# Allegro board 8880F5-0822_7.brd (continued)
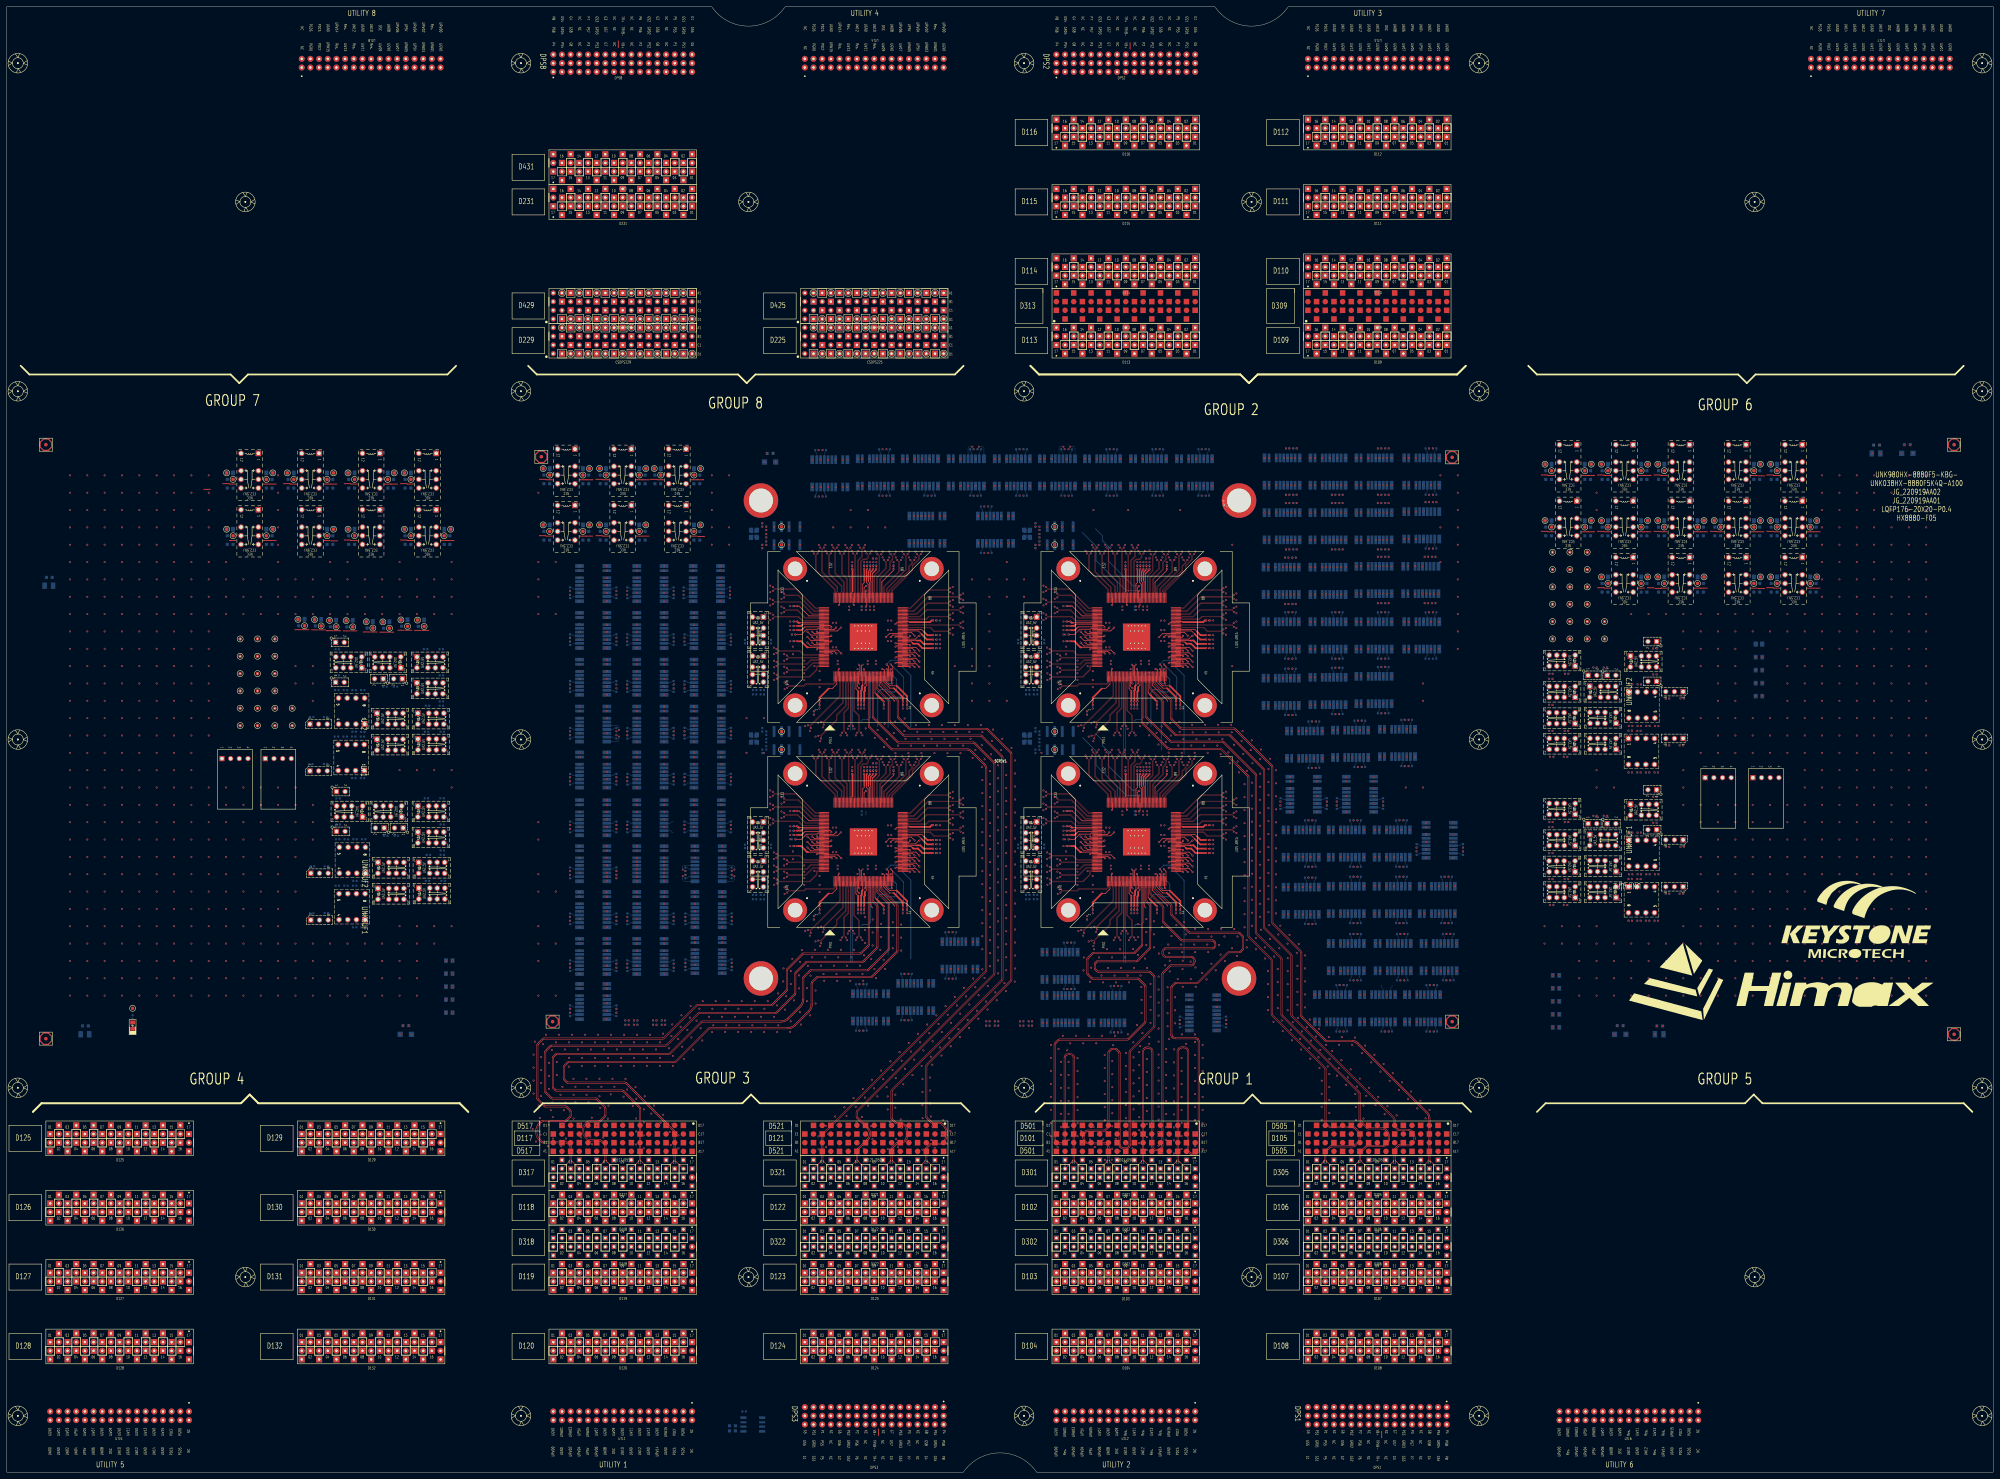
[diagram p0: board, top side]
## Routing (per net, layer and track width the routed paths; a pad name or vN(x,y) marks a point on that pad's centre or on a via; arc(x,y) is an arc through that point) (continued)
S1_DCH044: length 2.2
  TOP w0.231: v1(237.23,241.03) 237.43,241.23 SITE1.163
S1_DCH045: length 5.4
  TOP w0.231: SITE1.164 243.35,240.83 v1(244.35,239.83)
S1_DCH046: length 3.9
  TOP w0.231: SITE1.165 242.35,240.43 v1(242.95,239.83)
S1_DCH047: length 2.3
  TOP w0.231: v1(241.56,239.83) 241.36,240.03 SITE1.166
S1_DCH048:
  vias: v1(229.05,276.97)
S1_DCH049:
  vias: v1(229.05,271.67)
S1_DPS_F_001:
  vias: v1(182.11,131.06)
S1_DPS_F_002: length 10.1
  TOP w0.119: v1(237.98,223.71) 237.98,223.75
  TOP w0.231: SITE1.3 243.03,230.86 241.72,229.55 240.65,229.55
  TOP w0.508: v1(237.98,225.75) 237.98,226.88 240.65,229.55
  vias: v1(236.32,222.9)
S1_DPS_F_003: length 63.1
  TOP w0.231: SITE1.17 248.63,229.5 249.28,228.85 ; SITE1.71 266.94,246.43 267.84,245.53 ; SITE1.63 264.9,243.23 265.2,242.93 ; SITE1.37 256.63,231.59 258.57,229.66 259.73,229.66 ; 234.63,241.63 SITE1.162 ; 232.83,248.18 233.08,248.43 SITE1.145 ; SITE1.107 252.23,260.11 251.69,260.65 251.69,261.16
  TOP w0.381: v1(251.94,264.54) 251.69,264.28 251.69,261.16
  TOP w0.508: v1(231.44,243.41) 232.59,243.41 234.37,241.63 234.63,241.63 ; v1(249.28,225.75) 249.28,228.85 ; v1(271.22,243.91) 269.46,243.91 267.84,245.53 ; 259.73,229.66 262.36,227.02 v1(262.36,225.75) ; 232.83,248.18 232.58,247.93 v1(231.44,247.93) ; v1(271.22,241.37) 268.11,241.37 266.8,242.67 265.45,242.67 265.2,242.93
  vias: v1(229.4,247.93) v1(229.4,243.41) v1(249.28,223.71) v1(251.54,252.59) v1(251.94,266.58) v1(262.36,223.71) v1(273.27,243.91) v1(273.27,241.37)
S1_DPS_F_006: length 9.8
  TOP w0.231: 268.55,246.19 267.92,246.83 SITE1.72
  TOP w0.508: v1(271.22,245.18) 269.56,245.18 268.55,246.19
  BOTTOM w0.119: CC40.1 v1(259,246.67)
  vias: v1(273.27,245.18)
S1_DPS_F_007: length 19.2
  TOP w0.231: 264.37,249.01 264.15,249.23 SITE1.78
  TOP w0.254: CD11.1 v1(259.65,264.54) 259.65,264.22 256.23,260.8 SITE1.97
  TOP w0.508: v1(271.22,249.5) 270.8,249.5 270.31,249.01 264.37,249.01
  BOTTOM w0.119: CC27.1 v1(273.27,249.5)
  vias: v1(259.65,266.58)
S1_DPS_F_009: length 8.8
  TOP w0.231: SITE1.106 252.63,260.53 252.26,260.9 252.26,261.12
  TOP w0.381: 252.26,261.12 252.26,263.82 252.83,264.39 v1(252.83,264.54)
  vias: v1(252.83,266.58) v1(253.61,267.66)
S1_DPS_F_010: length 8.6
  TOP w0.231: 251.05,261.13 251.05,260.57 250.63,260.15 SITE1.111
  TOP w0.381: 251.05,261.13 v1(251.05,264.54)
  vias: v1(250.34,253.59) v1(251.05,266.58)
S1_DPS_F_011: length 17.6
  TOP w0.231: 247.64,258.01 247.43,257.79 SITE1.119 ; SITE1.139 234.87,250.83 232.01,253.69 v1(231.44,253.69)
  TOP w0.508: 247.64,258.01 247.64,264.47 v1(247.57,264.54)
  vias: v1(229.4,253.69) v1(247.57,266.58)
S1_DPS_F_012: length 8
  TOP w0.231: 232.2,248.83 SITE1.144
  TOP w0.508: v1(231.44,249.2) 231.81,248.83 232.2,248.83
  vias: v1(229.4,249.2)
S1_ISP00+: length 14.6
  TOP w0.086: SITE1.73 263.98,247.23 264.06,247.31 270.41,247.31 271.56,246.16 275.81,246.16 v1(276.24,245.73)
  vias: v1(270.04,280.1)
S1_ISP00-: length 14.6
  TOP w0.086: v1(276.24,246.87) 275.77,246.4 271.66,246.4 270.51,247.55 264.06,247.55 263.98,247.63 SITE1.74
  vias: v1(270.04,272.1)
S1_ISP14+: length 14.8
  TOP w0.086: v1(252.86,269.15) 252.42,268.71 252.42,267.92 251.76,267.26 250.73,267.26 250.15,266.68 250.15,257.86 250.23,257.78 SITE1.112
  vias: v1(265.64,280.1)
S1_ISP14-: length 14.8
  TOP w0.086: SITE1.113 249.83,257.78 249.91,257.86 249.91,266.78 250.63,267.5 251.66,267.5 252.18,268.02 252.18,268.69 v1(251.72,269.15)
  vias: v1(265.64,272.1)
S1_ISP_1LOCK:
  vias: v1(229.91,245.39)
S1_M_DPS_F_001: length 45.2
  TOP w0.231: 233.24,247.18 233.7,247.63 SITE1.147 ; 260.57,230.37 258.54,230.37 257.43,231.49 SITE1.39 ; 266.49,243.63 SITE1.64 ; 250.63,230.54 SITE1.22 ; SITE1.104 253.43,263.21
  TOP w0.381: 253.43,263.21 254.61,264.39 v1(254.61,264.54)
  TOP w0.508: v1(271.22,242.64) 268.48,242.64 267.49,243.63 266.49,243.63 ; 233.24,247.18 232.72,246.66 v1(231.44,246.66) ; v1(250.17,225.75) 250.17,228.96 250.38,229.17 250.38,230.28 250.63,230.54 ; v1(263.63,225.75) 263.63,227.31 260.57,230.37
  vias: v1(229.4,246.66) v1(250.17,223.71) v1(254.61,266.58) v1(263.63,223.71) v1(273.27,242.64)
S1_PS9G_DCH001: length 3.7
  TOP w0.231: v1(249.63,229.63) 249.03,230.23 SITE1.18
S1_PS9G_DCH002: length 2.2
  TOP w0.231: v1(249.63,231.03) 249.43,231.23 SITE1.19
S1_PS9G_DCH003: length 2.2
  TOP w0.231: SITE1.24 251.43,231.23 v1(251.23,231.03)
S1_PS9G_DCH004: length 2.2
  TOP w0.231: v1(257.63,235.23) 257.83,235.03 SITE1.40
S1_PS9G_DCH005: length 2.2
  TOP w0.231: SITE1.45 264.23,236.03 v1(264.43,235.83)
S1_PS9G_DCH006: length 3.7
  TOP w0.231: SITE1.46 265.23,236.43 v1(265.83,235.83)
S1_PS9G_DCH007: length 5.3
  TOP w0.231: SITE1.47 266.22,236.83 v1(267.23,235.83)
S1_PS9G_DCH009: length 2.2
  TOP w0.231: v1(264.43,237.43) 264.23,237.63 SITE1.49
S1_PS9G_DCH010: length 3.7
  TOP w0.231: SITE1.50 265.23,238.03 v1(265.83,237.43)
S1_PS9G_DCH011: length 5.3
  TOP w0.231: v1(267.23,237.43) 266.22,238.43 SITE1.51
S1_PS9G_DCH014: length 3.7
  TOP w0.231: v1(265.83,239.03) 265.23,239.63 SITE1.54
S1_PS9G_DCH015: length 5.3
  TOP w0.231: SITE1.55 266.22,240.03 v1(267.23,239.03)
S1_PS9G_DCH022: length 5.3
  TOP w0.231: SITE1.65 266.05,244.03 267.05,245.03 v1(267.23,245.03)
S1_PS9G_DCH023: length 2.5
  TOP w0.231: SITE1.66 264.03,244.43 264.43,244.83 v1(264.43,245.03)
S1_PS9G_DCH027: length 3.9
  TOP w0.231: v1(265.83,245.03) 264.83,246.03 SITE1.70
S1_PS9G_DCH028: length 2.3
  TOP w0.231: SITE1.77 260.6,248.83 v1(260.23,248.46)
S1_PS9G_DCH029: length 2.2
  TOP w0.231: v1(248.03,254.03) 247.83,254.23 SITE1.118
S1_PS9G_DCH030: length 9.2
  TOP w0.231: v1(230.91,245.39) 232.63,245.39 234.16,246.91 237.3,246.91 237.62,247.23 SITE1.148
S1_PS9G_DCH035: length 5.3
  TOP w0.231: v1(234.44,246.23) 235.44,245.23 SITE1.153
S1_PS9G_DCH036: length 2.2
  TOP w0.231: SITE1.154 241.23,244.83 v1(241.43,245.03)
S1_PS9G_DCH037: length 2.2
  TOP w0.231: v1(237.23,244.63) 237.43,244.43 SITE1.155
S1_PS9G_DCH038: length 3.7
  TOP w0.231: SITE1.156 236.43,244.03 v1(235.83,244.63)
S1_PS9G_DCH039: length 5.3
  TOP w0.231: v1(234.44,244.63) 235.44,243.63 SITE1.157
S1_PS9G_DCH040: length 2.2
  TOP w0.231: v1(241.43,243.43) 241.23,243.23 SITE1.158
S1_RLY_001:
  vias: v1(167.7,222.95) v1(201.23,236.67)
S1_RLY_003:
  vias: v1(290.64,288.86) v1(303.84,288.86)
S1_RLY_005:
  vias: v1(330.51,288.86) v1(343.98,288.86)
S1_RLY_007:
  vias: v1(317.05,288.86)
S1_RLY_008:
  vias: v1(263.71,288.86) v1(293.31,280.1)
S1_RLY_016:
  vias: v1(244.8,296.61) v1(250.5,288.86)
S1_RLY_018:
  vias: v1(232.25,276.97)
S1_RLY_021:
  vias: v1(167.7,264.1) v1(277.17,288.86)
S1_RLY_022:
  vias: v1(167.7,236.67) v1(201.23,250.38)
S1_RLY_023:
  vias: v1(184.47,236.67)
S1_RLY_025:
  vias: v1(167.7,250.38) v1(200.98,264.1)
S1_RLY_026:
  vias: v1(184.47,250.38)
S1_RLY_030:
  vias: v1(184.47,264.1)
S1_RLY_043:
  vias: v1(273.24,280.1)
S1_SCAN_DCH008: length 2.2
  TOP w0.231: v1(260.23,237.03) 260.43,237.23 SITE1.48
S1_SCAN_DCH012: length 2.2
  TOP w0.231: SITE1.52 260.43,238.83 v1(260.23,238.63)
S1_SCAN_DCH013: length 2.2
  TOP w0.231: v1(264.43,239.03) 264.23,239.23 SITE1.53
S1_SCAN_DCH016: length 2.2
  TOP w0.231: v1(260.23,240.23) 260.43,240.43 SITE1.56
S1_SCAN_DCH017: length 2.2
  TOP w0.231: SITE1.57 264.23,240.83 v1(264.43,240.63)
S1_SCAN_DCH018: length 3.7
  TOP w0.231: SITE1.58 265.23,241.23 v1(265.83,240.63)
S1_SCAN_DCH019: length 5.3
  TOP w0.231: SITE1.59 266.22,241.63 v1(267.23,240.63)
S1_SCAN_DCH020: length 2.2
  TOP w0.231: SITE1.60 260.43,242.03 v1(260.23,241.83)
S1_SCAN_DCH021: length 2.2
  TOP w0.231: v1(264.43,242.23) 264.23,242.43 SITE1.61
S1_SCAN_DCH024: length 2.2
  TOP w0.231: SITE1.67 260.43,244.83 v1(260.23,244.63)
S1_SCAN_DCH025: length 3.7
  TOP w0.231: v1(258.83,244.63) 259.43,245.23 SITE1.68
S1_SCAN_DCH026: length 5.3
  TOP w0.231: SITE1.69 258.44,245.63 v1(257.44,244.63)
S1_SCAN_DCH031: length 3.7
  TOP w0.231: SITE1.149 242.23,246.83 v1(242.83,247.43)
S1_SCAN_DCH032: length 5.3
  TOP w0.231: SITE1.150 243.22,246.43 v1(244.22,247.43)
S1_SCAN_DCH033: length 2.2
  TOP w0.231: v1(237.23,246.23) 237.43,246.03 SITE1.151
S1_SCAN_DCH034: length 3.7
  TOP w0.231: SITE1.152 236.43,245.63 v1(235.83,246.23)
S1_SPI_CSN: length 25.9
  TOP w0.231: SITE1.43 259.03,231.23 v1(259.23,231.03)
  BOTTOM w0.231: 250.11,219.95 250.61,220.44 252.25,220.44 252.91,221.11 252.91,233.59 253.58,234.25 255.17,234.25 258.4,231.03 v1(259.23,231.03)
S1_SPI_SCK: length 25.3
  TOP w0.231: v1(258.83,235.23) 258.63,235.03 SITE1.42
  BOTTOM w0.231: v1(258.83,235.23) 258.83,233.98 260.53,232.28 260.53,229.11 259.96,228.54 257.9,228.54 257.17,229.27 255.92,229.27 255.03,228.39 255.03,218.48
S1_SPI_SDI: length 27.5
  TOP w0.231: v1(258.83,236.63) 259.43,236.03 SITE1.44
  BOTTOM w0.231: v1(258.83,236.63) 262.6,232.86 262.6,227.63 262.04,227.06 258.85,227.06 258.07,226.28 258.07,218.19
S1_SPI_SDO: length 29.1
  TOP w0.231: SITE1.41 258.23,236.03 v1(257.63,236.63)
  BOTTOM w0.231: v1(257.63,236.63) 258.83,237.83 261.5,237.83 262.29,237.04 262.29,235.83 264.72,233.4 264.72,218.19
S1_XTAL_IN: length 2.2
  TOP w0.231: v1(251.63,258.23) 251.43,258.03 SITE1.109
  vias: v1(226.85,271.67)
S1_XTAL_OUT: length 3.7
  TOP w0.231: v1(251.63,259.63) 251.03,259.03 SITE1.110
  vias: v1(226.85,276.97)
S2_1TX_100DCH001+: length 72.5
  L30_SIGNAL w0.071: v1(416.45,299.91) 416.92,299.44 416.92,298.08 406.32,287.48 406.32,267.89 405.38,266.95 385.23,266.95 383.77,265.49 383.77,262.03 384.78,261.01 388.2,261.01 388.49,260.72 v1(388.49,257.11)
S2_1TX_100DCH001-: length 72.2
  L30_SIGNAL w0.071: v1(388.49,265.11) 388.49,261.51 388.2,261.21 384.87,261.21 383.97,262.11 383.97,265.41 385.31,266.75 405.46,266.75 406.52,267.81 406.52,287.4 417.12,298 417.12,299.44 v1(417.6,299.91)
S2_1TX_100DCH002+: length 138.6
  TOP w0.086: SITE2.75 343.98,248.03 344.06,248.11 358.84,248.11 v1(359.29,247.66)
  L30_SIGNAL w0.071: v1(359.29,247.66) 359.76,248.13 378.79,248.13 381.08,250.42 381.08,273.68 382.86,275.46 392.91,275.46 397.59,280.14 397.59,298.46 399.94,300.81 417.91,300.81 418.69,300.03 418.69,297.05 416.08,294.44 416.08,288.02 416.93,287.18 416.93,286.8 v1(416.45,286.32)
S2_1TX_100DCH002-: length 138.9
  TOP w0.086: SITE2.76 343.98,248.43 344.06,248.35 358.84,248.35 v1(359.29,248.8)
  L30_SIGNAL w0.071: v1(417.6,286.32) 417.13,286.79 417.13,287.26 416.28,288.11 416.28,294.36 418.89,296.97 418.89,300.12 417.99,301.01 399.86,301.01 397.39,298.54 397.39,280.22 392.83,275.66 382.78,275.66 380.88,273.76 380.88,250.5 378.7,248.33 359.76,248.33 v1(359.29,248.8)
S2_1TX_100DCH003+: length 115.7
  TOP w0.086: SITE2.79 343.98,249.63 344.06,249.71 349.2,249.71 350.02,250.53 355.8,250.53 v1(356.24,250.09)
  L30_SIGNAL w0.071: v1(416.45,284.16) 416.92,284.63 416.92,285.2 417.3,285.57 419.17,285.57 420.13,284.6 420.13,280.43 418.3,278.59 418.3,275.54 414.8,272.04 412.42,272.04 407.85,267.46 407.85,258.02 405.87,256.05 395.96,256.05 393.68,253.77 393.68,248.34 391.43,246.08 359.3,246.08 358.26,247.11 358.26,249.56 357.26,250.56 356.72,250.56 v1(356.24,250.09)
S2_1TX_100DCH003-: length 114.8
  TOP w0.086: v1(356.24,251.23) 355.78,250.77 349.92,250.77 349.1,249.95 344.06,249.95 343.98,250.03 SITE2.80
  L30_SIGNAL w0.071: v1(356.24,251.23) 356.72,250.76 357.34,250.76 358.46,249.64 358.46,247.2 359.38,246.28 391.35,246.28 393.49,248.42 393.49,253.85 395.88,256.25 405.79,256.25 407.65,258.1 407.65,267.55 412.34,272.24 414.72,272.24 418.1,275.62 418.1,278.68 419.93,280.51 419.93,284.52 419.08,285.37 417.38,285.37 417.12,285.12 417.12,284.64 v1(417.6,284.16)
S2_1TX_100DCH004+: length 157.9
  TOP w0.086: SITE2.81 343.98,250.43 344.06,250.51 347.46,250.51 349.46,252.51 358.8,252.51 v1(359.29,252.02)
  L30_SIGNAL w0.071: v1(359.29,252.02) 359.76,252.49 362.88,252.49 365.18,250.2 378.1,250.2 380.29,252.39 380.29,275.75 381.78,277.24 390.42,277.24 393.74,280.56 393.74,297.85 397.33,301.44 418.5,301.44 421.9,298.04 421.9,276.91 416.92,271.94 416.92,271.05 v1(416.45,270.57)
S2_1TX_100DCH004-: length 158.2
  TOP w0.086: v1(359.29,253.16) 358.88,252.75 349.36,252.75 347.37,250.75 344.06,250.75 343.98,250.83 SITE2.82
  L30_SIGNAL w0.071: v1(417.6,270.57) 417.12,271.05 417.12,271.86 422.1,276.83 422.1,298.13 418.58,301.64 397.25,301.64 393.54,297.93 393.54,280.64 390.34,277.44 381.7,277.44 380.1,275.83 380.1,252.47 378.01,250.39 365.26,250.39 362.97,252.69 359.76,252.69 v1(359.29,253.16)
S2_1TX_100DCH005+: length 79.1
  TOP w0.086: SITE2.83 343.98,251.23 344.06,251.31 346.53,251.31 349.61,254.39 355.8,254.39 v1(356.24,253.95)
  L30_SIGNAL w0.071: v1(356.24,253.95) 355.77,254.42 355.47,254.42 355.12,254.06 355.12,245.25 357.18,243.18 395.75,243.18 402.95,250.38 402.95,251.43 v1(402.48,251.9)
S2_1TX_100DCH005-: length 80.1
  TOP w0.086: SITE2.84 343.98,251.63 344.06,251.55 346.43,251.55 349.51,254.63 355.78,254.63 v1(356.24,255.09)
  L30_SIGNAL w0.071: v1(356.24,255.09) 355.77,254.62 355.39,254.62 354.92,254.14 354.92,245.17 357.1,242.99 395.84,242.99 403.15,250.3 403.15,251.43 v1(403.63,251.9)
S2_1TX_100DCH006+: length 90
  TOP w0.086: SITE2.85 343.98,252.03 344.06,252.11 345.58,252.11 349.82,256.36 358.81,256.36 v1(359.29,255.88)
  L30_SIGNAL w0.071: v1(359.29,255.88) 358.82,256.35 355.87,256.35 354.16,254.64 354.16,241.87 359.26,236.77 402.32,236.77 402.95,237.4 402.95,237.84 v1(402.48,238.32)
S2_1TX_100DCH006-: length 91
  TOP w0.086: v1(359.29,257.02) 358.87,256.6 349.73,256.6 345.48,252.35 344.06,252.35 343.98,252.43 SITE2.86
  L30_SIGNAL w0.071: v1(403.63,238.32) 403.15,237.84 403.15,237.32 402.4,236.57 359.18,236.57 353.97,241.78 353.97,254.73 355.79,256.55 358.82,256.55 v1(359.29,257.02)
S2_1TX_100DCH007+: length 83.2
  TOP w0.086: v1(356.24,257.81) 355.83,258.23 349.88,258.23 344.57,252.91 344.06,252.91 343.98,252.83 SITE2.87
  L30_SIGNAL w0.071: v1(356.24,257.81) 356.72,258.28 362.24,258.28 369.66,250.87 377.37,250.87 379.38,252.88 379.38,274.01 372.95,280.44 372.95,284.92 373.49,285.46 375.76,285.46 376.04,285.19 376.04,284.39 v1(375.56,283.91)
S2_1TX_100DCH007-: length 83.5
  TOP w0.086: SITE2.88 343.98,253.23 344.06,253.15 344.47,253.15 349.78,258.47 355.76,258.47 v1(356.24,258.95)
  L30_SIGNAL w0.071: v1(356.24,258.95) 356.72,258.48 362.32,258.48 369.74,251.06 377.29,251.06 379.18,252.96 379.18,273.93 372.75,280.36 372.75,285 373.41,285.66 375.85,285.66 376.23,285.27 376.23,284.38 v1(376.7,283.91)
S2_2AUX+:
  vias: v1(290.31,132.08) v1(290.31,130.81)
S2_2AUX-:
  vias: v1(286.77,130.81) v1(287.77,132.08)
S2_2TX_100DCH001+: length 16.3
  TOP w0.086: v1(347.64,268.93) 347.21,268.5 347.21,267.41 345.32,265.52 345.32,264.13 339.35,258.16 339.35,257.86 339.43,257.78 SITE2.89
  vias: v1(375.56,270.32)
S2_2TX_100DCH001-: length 16.3
  TOP w0.086: SITE2.90 339.03,257.78 339.11,257.86 339.11,258.26 345.08,264.23 345.08,265.62 346.97,267.51 346.97,268.46 ; v1(346.5,268.93) 346.97,268.46 ; 346.97,268.46 346.97,268.48
  vias: v1(376.7,270.32)
S2_2TX_100DCH002+: length 14.1
  TOP w0.086: v1(345.72,267.21) 345.28,266.78 345.28,266.31 344.35,265.37 344.35,264.04 338.55,258.23 338.55,257.86 338.63,257.78 SITE2.91
  vias: v1(402.48,268.16)
S2_2TX_100DCH002-: length 14.1
  TOP w0.086: SITE2.92 338.23,257.78 338.31,257.86 338.31,258.33 344.11,264.13 344.11,265.47 345.04,266.4 345.04,266.74 v1(344.57,267.21)
  vias: v1(403.63,268.16)
S2_2TX_100DCH003+: length 15.3
  TOP w0.086: v1(343.79,268.93) 343.34,268.49 343.34,264.27 337.75,258.68 337.75,257.86 337.83,257.78 SITE2.93
  vias: v1(402.48,254.57)
S2_2TX_100DCH003-: length 15.3
  TOP w0.086: v1(342.64,268.93) 343.1,268.47 343.1,264.37 337.51,258.78 337.51,257.86 337.43,257.78 SITE2.94
  vias: v1(403.63,254.57)
S2_2TX_100DCH004+: length 13.1
  TOP w0.086: SITE2.95 337.03,257.78 336.95,257.86 336.95,259.28 341.41,263.74 341.41,266.77 v1(341.86,267.21)
  vias: v1(402.48,283.91)
S2_2TX_100DCH004-: length 13.2
  TOP w0.086: v1(340.71,267.21) 341.17,266.75 341.17,263.84 336.71,259.38 336.71,257.86 336.63,257.78 SITE2.96
  vias: v1(403.63,283.91)
S2_2TX_100DCH005+: length 14.6
  TOP w0.086: SITE2.98 335.83,257.78 335.75,257.86 335.75,261.48 338.7,264.43 338.7,266.53 339.46,267.3 339.46,268.47 v1(339.93,268.93)
  vias: v1(402.48,270.32)
S2_2TX_100DCH005-: length 14.6
  TOP w0.086: SITE2.99 335.43,257.78 335.51,257.86 335.51,261.58 338.46,264.53 338.46,266.63 339.22,267.39 339.22,268.49 v1(338.78,268.93)
  vias: v1(403.63,270.32)
S2_2TX_100DCH006+: length 12.4
  TOP w0.086: SITE2.100 335.03,257.78 334.95,257.86 334.95,262.07 337.55,264.67 337.55,266.76 v1(338,267.21)
  vias: v1(389.02,283.91)
S2_2TX_100DCH006-: length 12.4
  TOP w0.086: v1(336.85,267.21) 337.31,266.76 337.31,264.77 334.71,262.17 334.71,257.86 334.63,257.78 SITE2.101
  vias: v1(390.16,283.91)
S2_2TX_100DCH007+: length 13.6
  TOP w0.086: v1(336.07,268.93) 335.64,268.51 335.64,264.07 334.15,262.58 334.15,257.86 334.23,257.78 SITE2.102
  vias: v1(389.02,270.32)
S2_2TX_100DCH007-: length 13.7
  TOP w0.086: v1(334.93,268.93) 335.4,268.46 335.4,264.17 333.91,262.68 333.91,257.86 333.83,257.78 SITE2.103
  vias: v1(390.16,270.32)
S2_3TX_100DCH002+: length 95.9
  TOP w0.086: SITE2.114 329.43,257.78 329.35,257.86 329.35,267.06 330.46,268.18 330.46,270.4 v1(330.93,270.87)
  L30_SIGNAL w0.071: v1(330.93,270.87) 330.46,271.34 330.46,287.51 334.25,291.3 383.92,291.3 386.91,288.31 388.91,288.31 389.49,287.73 389.49,286.79 v1(389.02,286.32)
S2_3TX_100DCH002-: length 96.6
  TOP w0.086: v1(329.79,270.87) 330.22,270.43 330.22,268.28 329.11,267.16 329.11,257.86 329.03,257.78 SITE2.115
  L30_SIGNAL w0.071: v1(390.16,286.32) 389.69,286.79 389.69,287.81 388.99,288.51 386.99,288.51 384.01,291.5 334.17,291.5 330.26,287.59 330.26,271.34 v1(329.79,270.87)
S2_3TX_100DCH003+: length 178.1
  TOP w0.086: v1(328.93,269.15) 328.55,268.77 328.55,257.86 328.63,257.78 SITE2.116
  L30_SIGNAL w0.071: v1(328.93,269.15) 328.46,269.62 328.46,278.82 329.59,279.95 329.59,284.83 328.18,286.24 328.18,288.75 332.05,292.63 379.88,292.63 389.65,302.4 423.31,302.4 427.99,297.73 427.99,277.1 420.89,270.01 417.12,270.01 416.67,269.56 416.67,268.63 v1(416.2,268.16)
S2_3TX_100DCH003-: length 178.8
  TOP w0.086: SITE2.117 328.23,257.78 328.31,257.86 328.31,268.63 v1(327.79,269.15)
  L30_SIGNAL w0.071: v1(327.79,269.15) 328.26,269.62 328.26,278.9 329.39,280.03 329.39,284.75 327.98,286.16 327.98,288.84 331.97,292.83 379.8,292.83 389.57,302.6 423.39,302.6 428.19,297.81 428.19,277.02 420.98,269.81 417.2,269.81 416.87,269.48 416.87,268.63 v1(417.34,268.16)
S2_3TX_100DCH004+: length 197.9
  TOP w0.086: v1(327.07,270.87) 326.61,270.41 326.61,262.62 326.95,262.28 326.95,257.86 327.03,257.78 SITE2.120
  L30_SIGNAL w0.071: v1(327.07,270.87) 326.6,271.34 326.6,288.41 331.83,293.64 377.35,293.64 387.74,304.03 425.86,304.03 430.07,299.82 430.07,265.36 421.5,256.79 417.38,256.79 416.67,256.08 416.67,255.04 v1(416.2,254.57)
S2_3TX_100DCH004-: length 198.6
  TOP w0.086: v1(325.93,270.87) 326.38,270.42 326.38,262.52 326.71,262.19 326.71,257.86 326.63,257.78 SITE2.121
  L30_SIGNAL w0.071: v1(417.34,254.57) 416.87,255.04 416.87,256 417.46,256.6 421.59,256.6 430.27,265.27 430.27,299.9 425.94,304.22 387.66,304.22 377.27,293.84 331.75,293.84 326.4,288.49 326.4,271.34 v1(325.93,270.87)
S2_3TX_100DCH005+: length 80.1
  TOP w0.086: v1(325.14,269.15) 324.69,268.7 324.69,263.17 326.15,261.71 326.15,257.86 326.23,257.78 SITE2.122
  L30_SIGNAL w0.071: v1(325.14,269.15) 324.67,268.68 324.67,260.8 328.04,257.43 350.56,257.43 359.03,265.9 374.99,265.9 375.78,266.69 375.78,267.43 v1(375.3,267.91)
S2_3TX_100DCH005-: length 80.8
  TOP w0.086: SITE2.123 325.83,257.78 325.91,257.86 325.91,261.61 324.46,263.07 324.46,268.69 v1(324,269.15)
  L30_SIGNAL w0.071: v1(376.45,267.91) 375.97,267.43 375.97,266.6 375.07,265.7 359.11,265.7 350.65,257.24 327.95,257.24 324.47,260.72 324.47,268.68 v1(324,269.15)
S2_3TX_100DCH006+: length 88
  TOP w0.086: v1(323.16,270.88) 322.73,270.45 322.73,263.37 325.35,260.75 325.35,257.86 325.43,257.78 SITE2.124
  L30_SIGNAL w0.071: v1(323.16,270.88) 322.69,270.41 322.69,260.27 326.07,256.89 351.23,256.89 355.31,260.97 362.69,260.97 370.92,252.74 375.38,252.74 375.77,253.14 375.77,253.85 v1(375.3,254.32)
S2_3TX_100DCH006-: length 88.7
  TOP w0.086: v1(322.02,270.88) 322.49,270.41 322.49,263.28 325.11,260.65 325.11,257.86 325.03,257.78 SITE2.125
  L30_SIGNAL w0.071: v1(376.45,254.32) 375.97,253.84 375.97,253.06 375.46,252.54 370.84,252.54 362.61,260.77 355.4,260.77 351.31,256.69 325.99,256.69 322.49,260.18 322.49,270.41 v1(322.02,270.88)
S2_3TX_100DCH007+: length 99.9
  TOP w0.086: v1(321.28,269.15) 320.83,268.7 320.83,263.34 324.55,259.62 324.55,257.86 324.63,257.78 SITE2.126
  L30_SIGNAL w0.071: v1(375.56,299.91) 376.03,300.39 376.03,302.26 375.52,302.78 365.33,302.78 357.45,294.9 324.29,294.9 320.81,291.42 320.81,269.62 v1(321.28,269.15)
S2_3TX_100DCH007-: length 100.6
  TOP w0.086: v1(320.14,269.15) 320.59,268.7 320.59,263.24 324.31,259.52 324.31,257.86 324.23,257.78 SITE2.127
  L30_SIGNAL w0.071: v1(320.14,269.15) 320.61,269.62 320.61,291.51 324.21,295.1 357.37,295.1 365.25,302.98 375.6,302.98 376.23,302.34 376.23,300.38 v1(376.7,299.91)
S2_4TX_100DCH001+: length 16.8
  TOP w0.086: v1(319.3,270.88) 318.85,270.43 318.85,263.79 323.35,259.29 323.35,257.86 323.43,257.78 SITE2.129
  vias: v1(375.56,286.32)
S2_4TX_100DCH001-: length 16.8
  TOP w0.086: SITE2.130 323.03,257.78 323.11,257.86 323.11,259.19 318.61,263.69 318.61,270.43 v1(318.16,270.88)
  vias: v1(376.7,286.32)
S2_4TX_100DCH002+: length 15.6
  TOP w0.086: SITE2.131 322.63,257.78 322.55,257.86 322.55,258.66 316.97,264.24 316.97,268.69 v1(317.43,269.15)
  vias: v1(402.48,299.91)
S2_4TX_100DCH002-: length 15.6
  TOP w0.086: SITE2.132 322.23,257.78 322.31,257.86 322.31,258.56 316.73,264.14 316.73,268.71 v1(316.28,269.15)
  vias: v1(403.63,299.91)
S2_4TX_100DCH003+: length 17.6
  TOP w0.086: v1(304.31,259.31) 304.75,258.87 311.22,258.87 316.94,253.15 317.6,253.15 317.68,253.23 SITE2.133
  vias: v1(402.48,286.32)
S2_4TX_100DCH003-: length 17.6
  TOP w0.086: v1(304.31,258.17) 304.77,258.63 311.12,258.63 316.84,252.91 317.6,252.91 317.68,252.83 SITE2.134
  vias: v1(403.63,286.32)
S2_4TX_100DCH004+: length 13.8
  TOP w0.086: SITE2.135 317.68,252.43 317.6,252.35 316.46,252.35 311.86,256.95 308.04,256.95 v1(307.6,257.38)
  vias: v1(375.3,251.9)
S2_4TX_100DCH004-: length 13.9
  TOP w0.086: SITE2.136 317.68,252.03 317.6,252.11 316.36,252.11 311.76,256.71 308.07,256.71 v1(307.6,256.24)
  vias: v1(376.45,251.9)
S2_4TX_100DCH005+: length 16.7
  TOP w0.086: v1(304.31,255.45) 304.75,255.01 312.43,255.01 315.88,251.55 317.6,251.55 317.68,251.63 SITE2.137
  vias: v1(375.3,238.32)
S2_4TX_100DCH005-: length 16.7
  TOP w0.086: SITE2.138 317.68,251.23 317.6,251.31 315.78,251.31 312.33,254.77 304.76,254.77 v1(304.31,254.31)
  vias: v1(376.45,238.32)
S2_4TX_100DCH006+: length 12.9
  TOP w0.086: SITE2.140 317.68,250.43 317.6,250.35 313.87,250.35 311.52,252.7 308.04,252.7 v1(307.6,253.14)
  vias: v1(416.45,251.9)
S2_4TX_100DCH006-: length 12.9
  TOP w0.086: SITE2.141 317.68,250.03 317.6,250.11 313.78,250.11 311.43,252.46 308.06,252.46 v1(307.6,252)
  vias: v1(417.6,251.9)
S2_4TX_100DCH007+: length 15.7
  TOP w0.086: SITE2.142 317.68,249.63 317.6,249.55 313.04,249.55 311.83,250.76 304.76,250.76 v1(304.31,251.21)
S2_4TX_100DCH007-: length 15.7
  TOP w0.086: v1(304.31,250.07) 304.76,250.52 311.73,250.52 312.94,249.31 317.6,249.31 317.68,249.23 SITE2.143
S2_AUX_100DCH002+:
  vias: v1(289.31,132.08)
S2_AUX_100DCH002-:
  vias: v1(286.77,132.08)
S2_AUXCH+: length 32.3
  TOP w0.203: SITE2.21 330.23,236.2 v2(330.6,236.57)
  BOTTOM w0.203: 327.57,209.14 327.57,231.79 330.3,234.52 330.3,236.28 v2(330.6,236.57)
S2_AUXCH-: length 32.1
  TOP w0.203: SITE2.20 329.83,236.2 v2(329.46,236.57)
  BOTTOM w0.203: 327.02,209.37 327.02,232.02 329.76,234.75 329.76,236.28 v2(329.46,236.57)
S2_AVDD11_RX: length 8.4
  TOP w0.231: 334.67,227.85 334.23,228.29 SITE2.31
  TOP w0.508: v1(336.77,225.75) 334.67,227.85
  vias: v1(336.77,223.71)
S2_AVDD11_XTAL: length 8.8
  TOP w0.231: SITE2.105 333.03,260.95 332.87,261.11 332.87,261.45
  TOP w0.381: 332.87,261.45 332.87,263.59 333.72,264.44 v1(333.72,264.54)
  vias: v1(333.72,266.58)
S2_AVDD18_RX: length 7.7
  TOP w0.231: 331.28,230.01 331.83,230.56 SITE2.25
  TOP w0.508: 331.28,230.01 331.28,228.9 331.06,228.68 v1(331.06,225.75)
  vias: v1(331.06,223.71)
S2_DCH041: length 2.2
  TOP w0.231: v1(317.23,243.03) 317.43,242.83 SITE2.159
S2_DCH042: length 3.7
  TOP w0.231: v1(315.83,243.03) 316.43,242.43 SITE2.160
S2_DCH043: length 5.3
  TOP w0.231: v1(314.43,243.03) 315.44,242.03 SITE2.161
S2_DCH044: length 2.2
  TOP w0.231: v1(317.23,241.03) 317.43,241.23 SITE2.163
S2_DCH045: length 5.4
  TOP w0.231: v1(324.35,239.83) 323.35,240.83 SITE2.164
S2_DCH046: length 3.9
  TOP w0.231: SITE2.165 322.35,240.43 v1(322.95,239.83)
S2_DCH047: length 2.3
  TOP w0.231: v1(321.56,239.83) 321.36,240.03 SITE2.166
S2_DCH048:
  vias: v1(309.05,276.97)
S2_DCH049:
  vias: v1(309.05,271.67)
S2_DPS_F_001:
  vias: v1(287.77,130.81)
S2_DPS_F_002: length 10.1
  TOP w0.231: SITE2.3 323.03,230.86 321.72,229.55 320.65,229.55
  TOP w0.508: v1(317.98,225.75) 317.98,226.88 320.65,229.55
  vias: v1(316.32,222.9) v1(317.98,223.71)
